# KiCad board RASBB.kicad_pcb (continued)
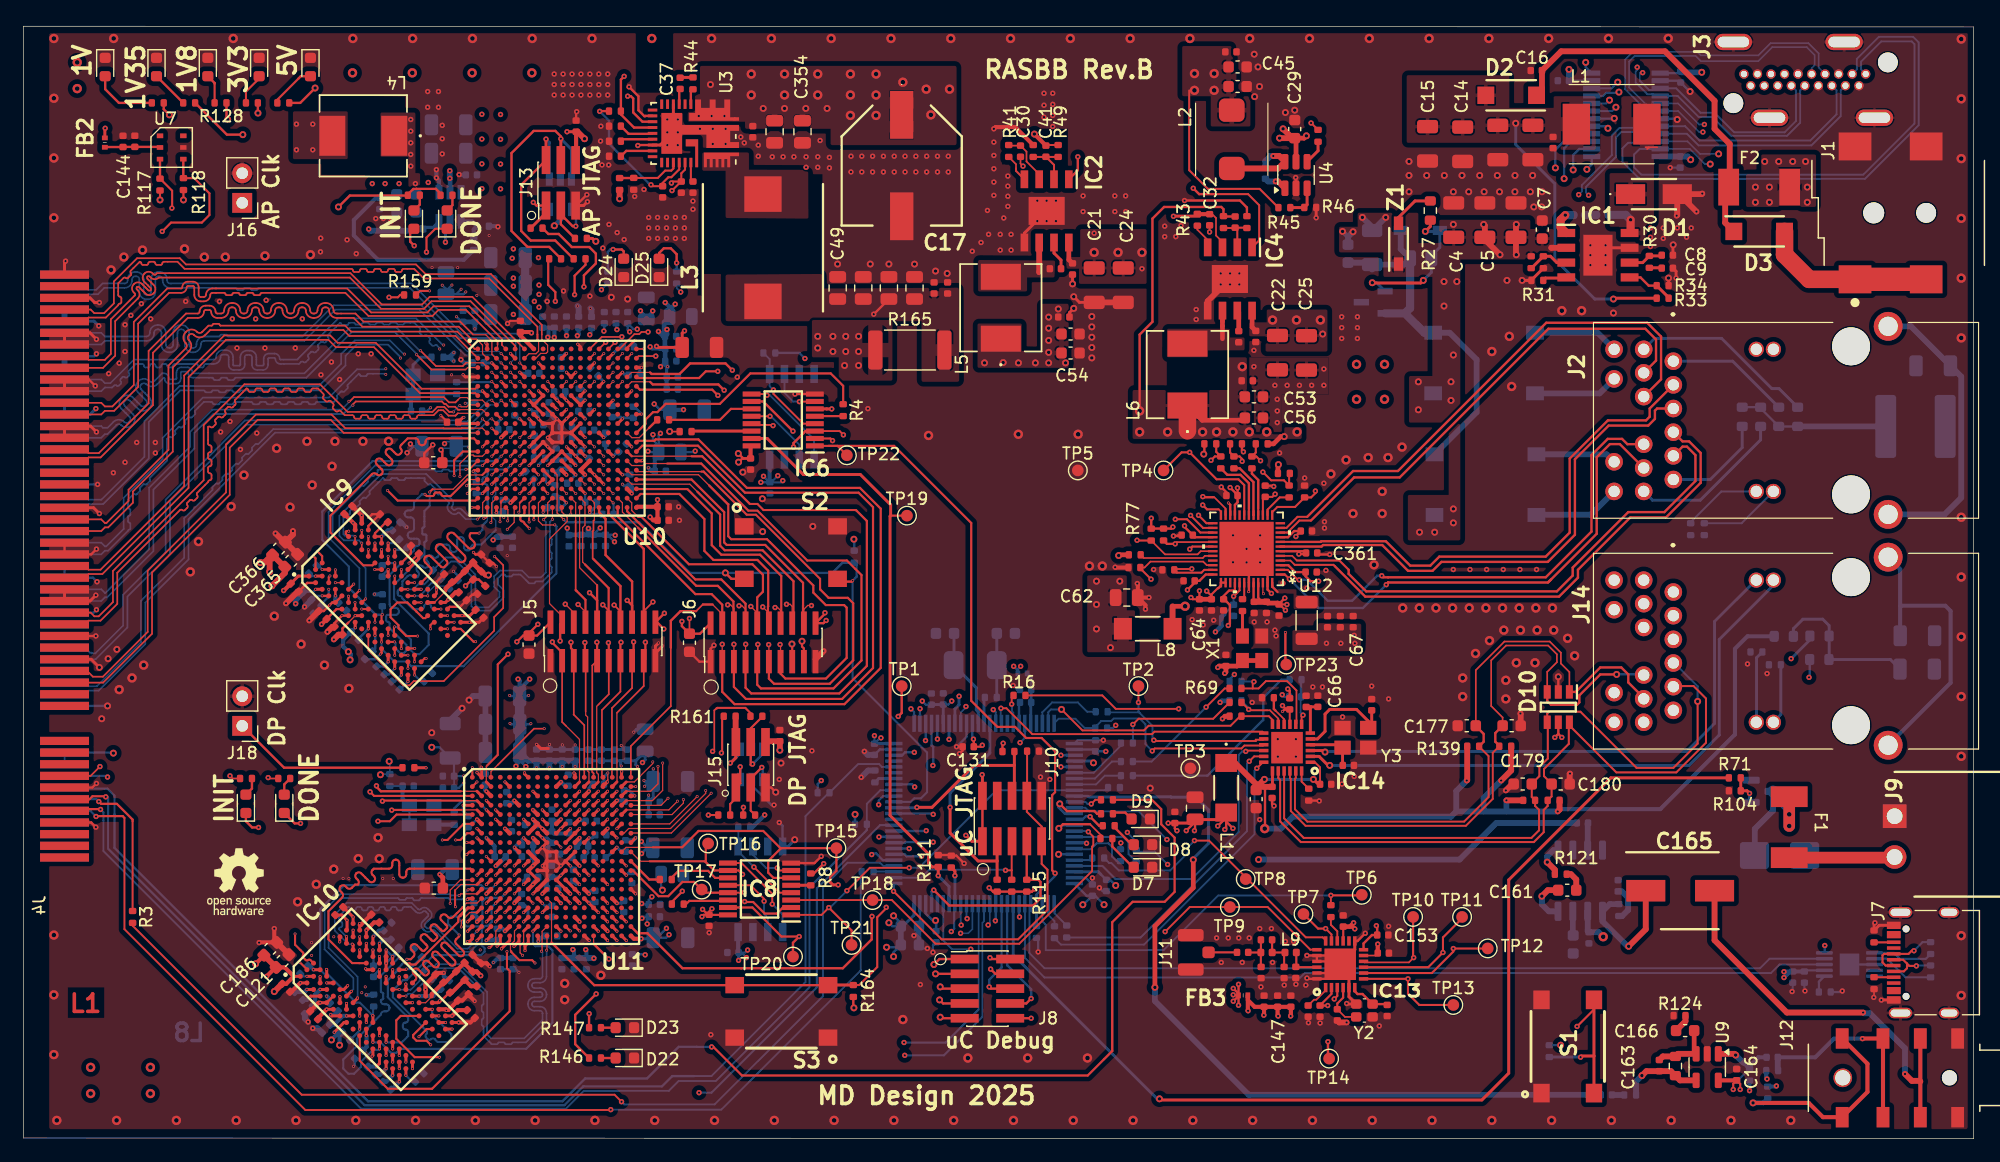
[diagram p0: board, top side]
## Nets (continued)

## Via types
v1: diameter 0.6, hole 0.3, Top to Bottom, 231 vias
v2: diameter 0.25, hole 0.15, Top to Bottom, 633 vias
v3: diameter 0.8, hole 0.4, Top to Bottom, 213 vias
v4: diameter 0.46, hole 0.2, Top to Bottom, 834 vias

## Routing (per net, layer and track width the routed paths; a pad name or vN(x,y) marks a point on that pad's centre or on a via; arc(x,y) is an arc through that point)
+1V0: length 135.5
  Top w0.2: v1(12.52,87.82) 12.04,88.3 R130.1
  Top w0.25: U11.J11 v2(46.9,25) ; U10.G11 v2(46.57,63.34) U10.F10 ; U10.G7 U10.F8 v2(44.17,64.14) ; U10.G7 v2(43.37,63.34) ; U10.G7 U10.H8 ; v2(46.9,21) U11.N11 U11.M10 v2(46.1,22.6) U11.L11 ; U11.H8 v2(43.7,25.8) ; U10.M8 U10.N7 v2(43.37,57.74) ; U10.L11 v2(47.37,59.34) ; U10.G9 v2(45.77,62.54) ; v2(43.7,27.4) U11.F8 v2(44.5,26.6) U11.G9 ; v2(43.37,59.34) U10.L7 U10.K8 ; U10.J11 v2(47.37,61.74) ; U11.K8 v2(43.7,23.4) ; v2(47.37,57.74) U10.N11 U10.M10 U10.N9 v2(44.97,57.74) ; U11.F10 v2(46.1,27.4) ; U11.G11 v2(46.9,26.6) ; v2(43.7,21.8) U11.M8 U11.L7 ; U10.J7 v2(43.37,61.74) ; U11.N9 v2(44.5,21)
  Top w0.35: v2(43.7,27.4) U11.F8 U11.G7 ; U11.M8 v2(43.7,21.8) U11.N7 ; U11.H8 v2(43.7,25.8) ; U11.J11 v2(46.9,25) ; U11.L7 v2(43.7,23.4) U11.K8 U11.J7 ; U11.G9 v2(44.5,26.6) ; U11.N11 v2(46.9,21) ; U11.F10 v2(46.1,27.4) ; U11.N9 v2(44.5,21)
  In4.Cu w0.2: v4(42.02,76.32) 41.95,76.32 36.85,81.42 22.12,81.42 15.72,87.82 v1(12.52,87.82)
  Bottom w0.177: v2(44.97,57.74) 45.47,58.24 C205.1 ; C291.1 46.32,24.42 v2(46.9,25)
  Bottom w0.2: 42.57,32.43 v4(43.09,31.92) ; v2(43.7,27.4) 43.7,27.29 44.05,26.94 ; C304.1 42.57,32.28 v4(42.24,31.95) ; C198.1 54.59,62.52 v4(54.09,63.02) ; v2(43.33,38.02) 43.28,37.97 C302.1 41.75,37.97 v2(41.7,38.02) ; v4(46.64,52.37) 46.64,51.92 ; C281.1 43.72,25.78 v2(43.7,25.8) ; v4(50.75,51.76) 50.71,51.8 C214.1 ; v4(49.47,52.39) 48.9,51.82 ; v2(46.9,26.6) 46.78,26.48 46.78,26.17 ; v2(43.7,23.4) 43.71,23.41 C289.1 ; 50.09,51.8 v4(50.69,51.2) ; 56.6,62.52 v4(56.61,62.53) ; v2(43.37,57.74) 43.79,58.16 C189.1 ; v2(41.73,35.62) 41.81,35.54 C303.1 43.52,35.54
  Bottom w0.25: v4(53.01,24.46) 53.5,24.95 53.98,24.95 53.54,24.95 v4(53,25.49) ; v2(46.1,27.4) 45.97,27.27 C274.1 ; C194.1 47.05,59.66 v2(47.37,59.34) ; C190.1 47.37,57.87 v2(47.37,57.74) ; v2(46.1,22.6) 45.96,22.46 C269.1 ; v2(43.37,63.34) 43.52,63.19 C209.1 ; C293.1 44.5,21.06 v2(44.5,21) ; C277.1 43.7,21.98 v2(43.7,21.8) ; C285.1 44.75,26.35 v2(44.5,26.6) ; C207.1 47.05,61.42 v2(47.37,61.74) ; v2(46.57,63.34) 46.48,63.43 C201.1 ; v2(43.37,61.74) 43.64,61.47 C185.1 ; v2(43.37,59.34) C193.1 ; v2(45.77,62.54) 45.16,63.15
  Bottom w0.35: C274.1 C285.1 45.51,26.17 46.77,26.17 C278.1 ; v4(46.58,68.88) 46.57,68.89 C217.1 ; C193.1 43.82,58.4 C189.1 ; 44.19,73.19 v4(44.22,73.22) ; C293.1 44.9,22.07 C269.1 ; 42.03,70.69 v4(42.02,70.7) ; v4(48.22,16.22) 48.28,16.16 C295.1 ; C289.1 43.72,24.21 C281.1 ; C205.1 46.44,58.24 C190.1 ; v4(42.42,39.42) 42.56,39.28 C302.1 42.56,38.55 v4(43.42,39.42) ; v4(47.12,16.22) 47.22,16.12 C296.1 ; v4(45.53,68.73) C216.1 45.03,69.56 ; C215.1 45.03,69.56 ; 45.03,69.56 45.03,68.8 v4(44.97,68.74) ; C198.1 56.6,62.52 ; C207.1 C194.1
  Bottom w0.4: 46.82,51.8 C214.1
  Bottom w0.5: C299.1 45.11,31.81 v2(45.11,31.81) ; v2(46.21,31.93) 46.21,31.93 C301.1 ; v2(44.01,31.81) 44,31.82 C297.1 ; 48.46,51.8 v4(48.46,52.34) ; C297.1 C298.1 47.32,31.94 v2(47.31,31.93) ; C297.1 43.28,32.42 C304.1 ; v4(48.92,15.47) 48.89,15.5 C295.1 C296.1 C300.1
  Bottom w0.7: C219.1 C220.1 C218.1
  Bottom w0.8: C302.1 42.56,33.15
  vias: v1(68.12,68.82) v1(68.12,67.82) v1(69.42,68.82) v1(69.42,67.52) v1(70.42,66.32) v1(70.52,68.82) v1(70.52,67.52) v1(71.62,68.82) v1(71.62,67.52) v1(71.62,66.32) v2(43.52,35.6) v4(41.92,75.52) v4(42.02,73.82) v4(42.02,73.12) v4(43.82,71.82) v4(44.17,75.57) v4(44.22,72.42) v4(44.22,71.32)
+1V8: length 102.3
  Top w0.1: 37.7,61.87 v2(37.78,61.87)
  Top w0.17: R49.1 87.73,85.23
  Top w0.177: U11.H10 v2(46.1,25)
  Top w0.2: R128.1 17.42,87.52 v1(17.52,87.42) ; U10.G5 v2(41.77,63.34) ; 37.41,61.34 38.4,61.34
  Top w0.25: v2(48.17,61.74) U10.H12 ; U10.C3 v2(40.17,66.54) ; U10.J1 38.4,61.34 ; U10.B10 v2(46.57,67.34) ; C265.1 37.7,61.87 ; U11.M12 v2(47.7,21.8) ; U11.H12 v2(47.7,25.8) ; U11.K12 v2(47.7,23.4) ; U10.E8 v2(44.97,64.14) ; U11.E8 v2(43.7,28.2) ; U11.F12 v2(47.7,27.4) ; U10.H10 v2(46.57,62.54) ; U10.F12 v2(48.17,64.14) ; U10.F2 v2(39.37,64.14) ; U10.M12 v2(48.17,58.54) ; U10.K12 v2(48.17,60.14) ; U10.D6 v2(42.57,65.74)
  Top w0.35: U11.F12 v2(47.7,27.4) ; U11.E8 v2(43.7,28.2) ; v4(43.57,69.12) 43.5,69.19 C225.1 42.62,68.89 U10.A7 ; U11.H12 v2(47.7,25.8) ; U11.K12 v2(47.7,23.4) ; U11.B10 v2(46.1,30.6) ; v1(86.69,86.17) C41.1
  In3.Cu w0.2: v1(17.52,87.42) 17.52,86.22 28.62,75.12 34.01,75.12 v2(35.92,73.21)
  In3.Cu w0.35: v1(86.69,86.17) 85.47,86.17 83.77,84.47 83.77,79.72 80.27,76.22 80.27,68.69 v1(82.42,66.54)
  Bottom w0.1: 39.33,64.1 v2(39.37,64.14)
  Bottom w0.177: v2(48.17,60.14) 47.99,60.32 C264.1 ; 47.08,24.02 v2(47.7,23.4)
  Bottom w0.186: C210.1 52.32,69.44 v4(52.64,69.44) ; v4(48.57,68.96) 48.72,69.11 C223.1
  Bottom w0.2: v2(35.92,73.21) 36.24,72.89 C192.2 ; C192.2 37.12,72.44 v2(37.54,72.86) ; C192.2 37.75,72.44 v2(37.94,72.63) ; v4(50.9,69.4) 50.82,69.48 C208.1 ; C206.1 49.82,69.31 v4(49.78,69.27) ; C275.1 47.85,27.25 v2(47.7,27.4) ; v4(51.99,69.21) 51.82,69.38 C210.1 ; v4(52.92,71.01) 53.42,70.51 ; 37.58,70.06 v2(37.14,70.5) ; 36.24,72.71 v2(36.75,73.22) ; v2(47.7,21.8) 47.39,21.8 47.1,22.09 ; v4(53.97,71) 53.42,70.45 ; v2(41.77,63.34) 41.8,63.34 C196.1
  Bottom w0.25: v2(48.17,58.54) 48.3,58.54 C263.1 ; C191.1 46.46,67.34 v2(46.57,67.34) ; C182.1 39.33,64.1 ; v4(53.09,32.26) 53.32,32.49 C187.1 52.52,32.42 ; 39.49,66.54 v2(40.17,66.54) ; 51.22,32.42 51.22,32.02 v2(51.27,31.97) ; 51.22,32.42 C290.1 52.52,32.42 ; 51.22,32.42 C307.1 ; 52.52,32.42 52.52,32.07 v2(52.67,31.92) ; v2(42.57,65.74) 42.66,65.65 C200.1 ; v2(48.17,61.74) 48.17,61.82 C262.1 ; C261.1 47.97,64.34 v2(48.17,64.14)
  Bottom w0.35: C308.1 46.45,30.27 46.1,30.62 ; v4(47.51,68.88) 47.62,68.99 C224.1 ; C280.1 47.7,25.31 v2(47.7,25.8)
  Bottom w0.4: v2(36.91,66.7) 36.58,67.03 R157.2 36.54,67.03 v2(36.92,67.41) ; v2(38.72,69.46) C266.1 C267.1
  vias: v1(84.02,66.57) v1(85.33,66.54) v1(86.78,66.54) v1(87.92,70.47) v1(87.92,69.52) v1(87.92,68.47) v1(87.92,67.44) v1(87.92,66.54) v1(88.75,71.17) v1(89.37,66.54)
+1V35: length 148.5
  Top w0.1: 28.45,44.85 27.87,44.27
  Top w0.186: 31.11,52.88 30.15,51.93 IC9.C9 ; 33.88,50.18 v2(33.07,49.37)
  Top w0.2: 35.53,11.66 35.66,11.66 36.55,12.55 36.57,12.53 C117.1 ; R129.1 17.45,86.12 v1(18.82,86.12) ; C86.1 27.36,43.76 27.87,44.27 ; C82.1 26.86,45.43 IC9.F1 ; v2(32.85,14.55) 32.79,14.49 IC10.H9 ; 38.46,47.96 v4(37.92,47.42) ; C98.1 35.93,58.96 v4(35.81,59.08) ; IC9.D9 v2(30.72,51.65) IC9.C9 ; U10.V8 v2(44.57,53.73) ; IC9.D2 v2(26.76,46.56) ; C95.1 39.06,47.96 R88.1
  Top w0.25: v2(27.75,18.74) 27.31,19.18 C112.1 ; IC9.N1 v2(31.28,40.9) ; IC9.N9 36.19,45.99 v2(36.42,46.22) ; IC10.A8 27.76,17.93 27.76,18.73 ; U11.V8 44.15,17.35 v2(44.15,16.94) ; IC10.K8 32.8,13.26 v2(32.8,13.26) ; IC10.E9 v2(30.54,16.75) ; IC10.C1 v2(24.32,12.79) ; IC9.R1 v2(32.41,39.77) ; IC10.F1 v2(26.02,11.1) ; IC9.E9 v2(31.28,51.08) ; IC9.C1 v2(25.06,47.12) ; IC10.D2 v2(25.45,12.79) ; IC10.G7 v2(30.54,14.49) ; C88.1 23.58,48.26 IC9.A1 ; U11.P6 v2(42.1,20.2) ; IC10.R1 v2(31.67,5.44) ; IC10.R9 v2(36.76,10.53) ; IC10.D9 29.97,17.32 ; U11.N3 v2(39.7,21) ; IC10.K2 v2(29.41,8.83) ; v2(35.7,11.83) 35.53,11.66 IC10.N9 ; C93.1 38.28,44.86 IC9.R9 ; U10.T2 v2(39.37,55.34) ; C87.1 33.91,49.75 IC9.H9 ; IC9.K2 v2(30.15,43.16) ; IC10.A1 v2(23.19,13.93) ; IC10.N1 30.54,6.45 v2(30.29,6.2) ; IC9.K8 v2(34.11,47.12) ; IC9.H2 v2(28.45,44.86) ; U11.K4 v2(40.5,23.4) ; U10.P6 v2(42.57,56.94) ; IC10.H2 v2(27.71,10.53) ; U11.T2 v2(38.9,18.6) ; IC10.C9 v2(29.41,17.89) ; IC10.B2 v2(24.32,13.93) ; U10.N3 v2(40.17,57.74) ; IC9.B2 v2(25.06,48.26) ; IC9.G7 v2(31.28,48.82) ; U11.U5 v2(41.3,17.8)
  Top w0.35: C103.1 30.07,18.55 v2(29.41,17.89) ; C105.1 25.27,10.35 v2(26.02,11.1) ; 27.58,53.53 28.45,52.66 IC9.A8 ; U11.N3 v2(39.7,21) ; U11.K4 v2(40.5,23.4) ; v1(19.92,15) 20.63,15.71 C186.1 ; C94.1 37.06,46.86 v2(36.42,46.22) ; C118.1 38.39,13.08 R94.1 36.74,12.53 C117.1 ; v2(40.97,60.14) U10.K4 ; U11.U5 v2(41.3,17.8) ; 26.01,44.56 v4(25.57,44.12) ; C111.1 22.54,13.28 v2(23.19,13.93) 22.42,14.69 C121.1 21.63,14.69 v4(20.86,13.92) ; C88.1 22.34,47.02 v4(22.32,47.02) ; v2(36.76,10.53) 37.26,11.03 C116.1 ; U11.T2 v2(38.9,18.6) ; U11.P6 v2(42.1,20.2) ; U10.U5 v2(41.77,54.54)
  Top w0.4: C115.1 35.97,22.39 v2(35.7,22.67)
  Top w0.5: C366.1 C365.1 22.42,48.52 v1(21.32,47.42) ; v1(21.12,48.62) 21.12,49.67 21.37,49.92 ; v4(26.62,42.82) 27.03,43.23 C86.1 ; C121.1 C186.1 ; C111.1 22.18,13.28 v1(21.52,12.62) ; 21.32,50.07 20.67,49.42 v1(20.32,49.42)
  In3.Cu w0.2: v1(18.82,86.12) 19.75,86.12 21.39,84.47 21.42,84.47 23.97,81.92 v4(29.92,81.92)
  Bottom w0.141: 36.96,59.22 35.95,59.22 v4(35.81,59.08) ; C226.1 38.13,59.39 v2(38.21,59.31) ; 36.73,59.79 36.29,59.79 v4(36.12,59.62)
  Bottom w0.177: C106.1 23.96,13.93 v2(24.32,13.93)
  Bottom w0.186: C85.1 31.93,51.08 v2(31.28,51.08) ; 30.77,48.31 v2(31.28,48.82)
  Bottom w0.2: 43.09,57.2 42.83,56.94 v2(42.57,56.94) ; C97.1 30.89,40.51 v2(31.28,40.9) ; C81.1 30.17,42.02 30.17,43.15 v2(30.15,43.16) ; v2(30.54,14.49) 30.03,13.98 C119.1 ; v2(26.19,47.12) 26.19,46.49 25.56,45.86 ; v2(25.06,48.26) 24.71,48.26 C83.1 ; C91.1 24.84,46.91 v2(25.06,47.12) ; v2(32.41,39.77) 31.85,39.21 C78.1 ; v2(40.97,60.14) 41.07,60.14 41.65,60.72 41.65,60.82 ; v2(32.85,14.55) 33.14,14.55 C110.1 ; 44.94,54.1 v2(44.57,53.73)
  Bottom w0.25: C316.1 42.1,20.35 v2(42.1,20.2) ; C231.1 v2(39.37,55.34)
  Bottom w0.35: C104.1 29.44,7.88 29.44,8.8 v2(29.41,8.83) ; v2(30.02,17.36) 30.51,17.85 C113.1 ; C313.1 38.9,18.98 v2(38.9,18.6) ; v2(41.77,54.54) 41.53,54.78 C229.1 ; C108.1 30.85,17.07 v2(30.54,16.75) ; C114.1 24.1,12.58 v2(24.32,12.79) ; R47.1 37.78,75.39 30.4,75.39 29.59,76.19 29.59,76.22 28.34,77.47 28.34,78.79 30.25,80.7 C39.1 ; v2(40.5,23.4) 40.59,23.4 C315.1 ; v2(40.3,15.11) 40.69,15.5 C311.1 C312.1 ; v2(31.67,5.44) 31.11,4.88 C101.1 ; v2(25.45,12.79) 25.02,12.36 25.02,11.58 C102.1 ; C109.1 26.63,9.77 27.38,10.52 27.38,10.53 v2(27.71,10.53) ; v2(26.02,12.23) 26.29,11.95 C238.1 ; v2(26.76,46.56) 26.76,46.18 26.98,45.96 ; v2(30.72,51.65) 31.25,52.18 C90.1 ; C120.1 30.27,6.18 v2(30.29,6.2) ; C317.1 44.6,17.39 v2(44.15,16.94) ; 41.09,18.01 v2(41.3,17.8)
  Bottom w0.4: v2(35.7,22.67) 36.11,23.08 C310.1 ; C228.1 C227.1 40.57,51.64 v4(40.28,51.35)
  Bottom w0.5: C91.1 23.35,46.23 v4(23.35,45.89)
  vias: v2(28.27,52.82) v2(37.62,44.86) v4(31.02,81.92) v4(32.22,81.92) v4(33.22,87.42) v4(33.22,86.42) v4(33.22,85.42) v4(33.22,84.42) v4(33.22,83.42) v4(33.62,81.92) v4(34.72,82.02)
+3V3: length 314.2
  Top w0.1: U10.U15 v2(50.57,54.54)
  Top w0.141: v4(6.57,31.92) 5.77,31.12 J4.B08 ; C126.2 v4(57.12,44.62) ; v4(21,30.97) 21.07,30.89 R56.1 ; R103.1 17.94,30.89 v4(17.72,31.12)
  Top w0.16: C173.1 108.59,35.56
  Top w0.17: U12.15 106.29,54.85 C68.1 107.1,55.05 v4(107.34,55.29) ; 107.67,45.82 107.72,45.82 v4(108.22,45.33) ; 107.67,45.82 107.68,45.83 ; 107.67,45.82 108.34,45.82 v4(108.34,45.82) ; C352.1 106.24,46.05 105.89,46.4
  Top w0.177: v4(100.12,46.42) 100.27,46.27 C64.1 ; v4(101.47,46.97) 101.88,46.56 C364.1 ; v4(58.19,19.04) 58.36,19.21 C60.1 58.8,19.48 v4(59.04,19.72) ; v1(13.73,80.52) R118.2 ; C64.1 v4(100.85,46.99) ; C64.1 100.85,46.55 ; v4(147.22,4.22) 147.22,4.7 C164.1 146.62,4.72 v4(146.62,4.22) ; 102.47,47.22 102.42,47.22 101.88,46.68 101.88,46.38 ; R117.2 v1(11.72,80.52)
  Top w0.186: J5.2 44.06,43.15 C125.2 42.85,43.15 v4(42.32,42.62) ; v4(82.23,33.75) 82.1,33.62 C131.1 ; 60.42,19.2 58.81,19.2 ; v4(58.25,19.67) 58.71,19.21 C60.1 ; 43.36,43.36 v4(44.12,44.12)
  Top w0.2: v4(86.72,21.42) 86.49,21.19 R115.2 R114.2 R116.2 83.15,21.19 v4(82.82,21.52) ; v4(81.47,34.27) 81.5,34.24 C131.1 ; v4(84.02,33.92) 83.96,33.86 R119.2 ; 131.62,34.72 v4(131.32,34.42) ; 131.62,34.72 v4(131.92,34.42) ; 131.62,34.72 D10.5 ; R164.1 71.17,11.27 v1(71.22,11.22) ; 51.77,67.82 52.43,68.48 v2(52.48,68.48) ; v4(104.62,58.92) 104.5,59.04 104.5,59.6 ; v4(103.02,26.52) 103.14,26.64 L11.2 103.14,27.2 v4(103.72,26.62) ; v4(108.17,46.37) 107.67,45.87 107.67,45.82 ; v4(100.42,26.42) 100.47,26.47 C170.1 ; 32.86,80.89 28,80.89 v1(27.02,79.92) ; 54.34,44.3 v4(54.92,43.72) ; v2(38.02,24.37) 38.25,24.6 U11.J1 ; v4(104.11,55.82) 104.12,55.81 C363.1 104.12,54.59 103.89,54.36 U12.21 ; v4(54.97,45.07) J5.20 ; FB3.1 v4(104.2,13.24) ; FB3.1 103.8,12.29 v4(103.75,12.34) ; FB3.1 v4(104.2,11.44) ; U12.45 105.89,46.4 ; v1(61.33,58.03) 61.65,58.35 C58.1 61.73,58.35 v1(61.31,58.77) ; J6.2 58.03,43.31 C126.2 56.47,43.96 v4(56.47,44.37) ; v2(107.97,36.64) 108.15,36.82 C173.1 108.29,36.82 v4(107.97,37.14) ; U10.P8 U10.R9 ; 103.14,27.54 v4(102.42,26.82) ; U12.38 U12.37 102.69,47.44 102.47,47.22 ; 104.12,55.21 v4(103.48,55.85) ; C70.1 105.49,46.11 U12.44 ; C43.1 102.94,79.1 ; 104.2,12.24 v4(103.75,11.79) ; v4(98.57,52.47) 98.43,52.33 R107.1 96.72,52.33 96.72,52.32 96.72,53.21 v4(96.72,53.22) ; 82.24,31.2 v4(82.22,31.22) ; v1(20.12,87.97) 20.11,87.98 R131.1 20.11,88.83 20.19,88.74 ; v4(98.17,27.07) C172.1 98.74,26.6 v4(98.92,26.42) ; v4(68.74,45.11) 68.74,45.03 J6.20 68.61,44.22 v4(68.84,44.45) ; v2(53.02,62.16) 53,62.14 U10.H18 ; J10.1 J10.2 ; R54.1 35.78,81.06 35.37,81.47 33.71,81.47 33.7,81.46 33.44,81.46 32.97,81 R5.1 ; v4(75.02,36.22) 75.32,36.52 TP1.1 ; R62.2 101.27,58.77 v1(101.22,58.72) ; 100.47,27.17 v4(99.72,26.42) ; 104.2,12.44 v4(103.75,12.89) ; C244.1 v4(54.38,54.81) ; v3(95.72,62.42) 95.72,68.97 96.82,70.07 96.82,78.92 97.82,79.92 102.72,79.92 102.91,79.73 R51.2
  Top w0.25: v2(42.98,31.38) 42.98,31.29 43.27,31 ; U10.D16 v2(51.37,65.74) ; U11.F2 v2(38.9,27.4) ; U10.C13 v2(48.97,66.54) ; U10.P16 v2(51.37,56.94) ; U11.P8 v2(44.5,20.2) ; U10.K14 v2(49.77,60.14) ; U11.K14 v2(49.3,23.4) ; U11.C3 v2(39.7,29.8) ; J10.1 81.33,25.51 v4(80.82,26.02) ; U11.C13 v2(48.5,29.8) ; 102.54,27.37 100.49,27.37 ; U11.D16 v2(50.9,29) ; U11.G5 v2(41.3,26.6) ; U11.N13 v2(48.5,21) ; v4(46.62,86.37) C204.2 ; U10.R9 v2(44.97,56.14) ; v4(7.02,86.67) 6.99,86.64 FB2.1 ; U11.P16 v2(50.9,20.2) ; U10.G15 v2(50.57,63.34) ; U11.P12 v2(47.7,20.2) ; U11.H18 v2(52.5,25.8) ; v2(51.31,31.47) 51.3,31.46 U11.A17 ; J10.2 82.24,31.2 ; C172.1 100.15,27.07 ; U11.R9 v2(44.5,19.4) ; U10.L17 v2(52.17,59.34) ; U11.U15 v2(50.1,17.8) ; U11.L17 v2(51.7,22.6) ; U11.D6 v2(42.1,29) ; v4(56.69,69.29) 56.49,69.09 56.49,67.87 54.39,67.87 v4(54.29,67.96) ; U10.T12 v2(48.17,55.34) ; U11.T12 v2(47.7,18.6) ; U11.G15 v2(50.1,26.6)
  Top w0.35: v2(48.17,56.94) U10.P12 U10.N13 ; U11.C13 v2(48.5,29.8) ; U11.P16 v2(50.9,20.2) ; U11.N13 v2(48.5,21) ; U11.D6 v2(42.1,29) ; U11.T12 v2(47.7,18.6) ; J13.6 47.4,83.98 C204.2 ; v4(52.97,17.15) 52.35,17.15 U11.V18 ; U11.F2 v2(38.9,27.4) ; U11.G15 v2(50.1,26.6) ; 47.26,83 47.29,82.97 ; 146.9,5 U9.5 ; U10.V18 52.63,54.2 C244.1 C250.1 54.02,53.04 v4(53.74,53.32) ; U11.U15 v2(50.1,17.8) ; U11.C3 v2(39.7,29.8) ; C58.1 62.36,59.34 ; U11.G5 v2(41.3,26.6) ; U11.D16 v2(50.9,29) ; U11.P12 v2(47.7,20.2)
  Top w0.4: L6.1 101.09,61.62 104.54,61.62 ; X1.1 X1.4 104.06,40.54 C71.1 ; R136.2 103.04,36.24 v4(102.82,36.02) ; v1(108.12,60.22) 107.82,60.22 107.2,59.6 R58.2 ; C352.1 106.7,45.94 107.55,45.94 107.67,45.82 ; 104.47,63.9 C53.2 ; v4(103.02,39.92) 103.12,40.02 C71.1 ; C71.1 102.54,40.54 v4(102.42,40.42) ; v1(93.92,50.02) 93.98,50.08 R59.1 ; C364.1 C64.1 ; 99.82,60.72 99.92,60.62 ; v1(107.62,57.82) 107.58,57.78 R57.2
  Top w0.5: C204.2 47.52,86.37 v1(48.12,85.77) ; v1(64.87,33.32) C202.2 63.71,34.09 J15.6 ; C70.1 C352.1
  Top w1.5: L6.1 99.82,60.72
  Bottom w0.141: C350.1 36.93,30.09 ; J4.A10 J4.A09 ; v1(30.62,31.22) 30.67,31.27 R72.2 31.43,32.31 v1(31.37,32.37)
  Bottom w0.17: 103.82,60.72 v3(103.72,60.62)
  Bottom w0.177: v4(103.84,39.82) 103.43,39.4 ; v4(64.69,56.87) 64.12,56.3 C59.1 64.97,56.3 v4(65.12,56.44) ; R96.1 v1(131.82,8.02) ; v4(62.01,15.53) 61.57,15.97 C61.1 61.9,15.97 v4(62.11,16.18)
  Bottom w0.186: C138.1 79.31,37.24 v4(79.61,37.54) ; C135.1 77.39,37.23 v4(77.08,37.54) ; C199.1 35.69,33.57 v1(35.02,33.57) ; 36.93,32.32 C350.1 37.75,31.1 v2(37.77,31.12) ; v4(73.54,34.38) 73.48,34.38 C137.1 v4(72.98,34.57) ; v2(37.77,30.52) 37.33,30.08 C351.1
  Bottom w0.2: IC12.50 91.17,20.84 C129.1 ; v4(63.24,56.3) C59.1 ; v2(50.57,54.54) 50.61,54.5 C236.1 ; v4(53.99,60.39) 53.99,59.93 54.48,59.44 ; v2(44.5,20.2) 44.72,19.98 C306.1 ; C330.1 53.27,15.82 v4(53.32,15.77) ; v2(52.48,68.48) 52.36,68.36 C235.1 ; R132.2 108.13,37.89 v4(107.95,38.08) ; v4(84.92,40.52) 85.28,40.16 FB1.1 85.28,40.27 v4(85.52,40.52) ; 53.47,18.88 53.47,18.44 v4(53.5,18.42) ; 47.51,56.28 47.54,56.28 C239.1 ; IC11.12 133.97,91.91 v1(133.97,92.32) ; v1(71.22,51.42) 71.25,51.39 R156.1 ; v1(135.88,86.67) 135.7,86.84 IC11.5 ; v4(55.15,18.04) 54.34,17.24 C195.1 55.12,17.24 v4(55.37,17.49) ; v4(53.05,18.91) 53.18,19.04 C329.1 ; C243.1 50.49,63.26 v2(50.57,63.34) ; R75.1 93.43,35.22 v4(93.67,35.46) ; IC12.27 91.77,33.39 ; 38.22,26.71 v2(38.9,27.4) ; v1(71.32,27.82) 71.31,27.81 R10.2 ; J4.A10 7.67,33.12 v1(7.72,33.07) ; C133.1 v4(92.82,33.22) ; v1(74.62,15.62) 74.62,15.99 C128.1 ; v4(81.47,34.27) 81.37,34.37 81.37,35.62 ; C129.1 91.9,20.84 v1(92.67,20.07) ; C129.1 90.9,20.07 v1(90.85,20.07) ; v4(68.42,30.72) 68.11,30.41 R9.2 ; 52.39,62.79 v2(53.02,62.16) ; v2(51.37,56.94) 51.4,56.97 C233.1 ; v2(48.17,55.34) 48.17,54.62 ; v4(53.56,58.96) 53.63,58.89 C221.1 54.48,60.35 v4(54.63,60.5) ; C127.1 74.52,18.22 v1(74.22,18.52) ; v1(74.02,16.42) 75.04,16.42 ; v4(53.02,20.17) 53.1,20.09 C331.1 53.63,20.48 v4(53.9,20.74) ; v4(67.02,66.92) 66.54,67.4 R53.1 ; 51.9,59.61 v2(52.17,59.34) ; 63.99,56.3 v4(63.47,56.82) ; 154.43,14.44 152.82,14.44 ; C245.1 44.81,56.29 v2(44.97,56.14) 45.5,56.14 ; C305.1 54.69,21.43 v1(54.8,21.32) ; 154.47,15.97 v4(154.47,16.57) ; 75.25,18.49 v1(74.62,19.12)
  Bottom w0.25: 55.04,66.62 v4(54.64,66.22) ; C339.1 48.5,30.08 v2(48.5,29.8) ; C333.1 C334.1 ; C333.1 54.01,29.26 C332.1 ; C333.1 v2(53.62,29.47) ; v2(48.5,21) 48.5,21.13 48.63,21.26 C326.1 ; 53.69,30.64 v2(53.27,30.22) ; v2(49.77,60.14) 49.92,60.29 C254.1 ; IC12.6 C138.1 77.87,37.24 ; v4(53.75,67.92) 53.94,67.73 C247.1 54.53,67.73 v4(54.29,67.96) ; C349.1 41.53,26.37 v2(41.3,26.6) ; C337.1 48.98,23.72 v2(49.3,23.4) ; C336.1 50,26.5 v2(50.1,26.6) ; v2(53.22,30.72) 53.3,30.64 C332.1 ; IC12.100 72.99,33.89 ; v2(44.5,19.4) 44.53,19.4 45.1,19.98 C306.1 ; 48.6,66.17 v2(48.97,66.54) ; v2(55.24,66.22) 55.16,66.14 55.16,65.32 ; C332.1 54.01,31.71 v2(54.02,31.72) ; C242.1 51.61,65.5 v2(51.37,65.74) ; C328.1 51.29,20.2 v2(50.9,20.2) ; v2(51.7,22.6) 51.98,22.88 C327.1 ; 47.51,56.28 v2(48.17,56.94) ; 75.42,18.22 76.38,19.18 IC12.75 ; v4(52.97,17.15) 53.94,17.15 ; v4(61.33,15.29) C61.1
  Bottom w0.35: C136.1 151.49,14.34 v4(150.97,13.82) ; C136.1 150.99,14.34 v4(150.97,14.32) ; C136.1 C134.1 ; v2(52.5,25.8) 52.29,25.59 C338.1 ; R125.2 v4(148.02,4.12) ; v4(55.9,71.58) 55.42,71.11 C188.2 55.42,71.34 v4(55.04,71.72) ; C347.1 41.87,28.77 v2(42.1,29) ; v4(149.52,5.12) 149.45,5.19 R127.1 ; v2(50.9,29) 51.45,29 ; 55.16,65.32 55.16,64.29 ; v4(150.32,4.52) 150.27,4.47 R67.2 ; v2(39.7,29.8) 39.6,29.9 C348.1 ; IC5.8 64,56.32 ; IC7.8 61.29,16 ; v2(53.59,57.54) 53.88,57.26 C252.1 54.14,58.55 C221.1 ; R55.1 62.52,26.72 v4(63.57,27.77)
  Bottom w0.4: v4(102.62,37.42) 102.76,37.56 R137.2 ; C246.1 54.88,68.82 v4(54.46,69.24) ; C246.1 55.19,68.99 v4(55.19,69.41) ; C246.1 55.02,67.75 ; 54.95,68.89 54.95,70.05 C188.2 ; C247.1 C241.1 55.04,66.42 v2(55.24,66.22)
  Bottom w0.5: C123.1 142.69,84.25 v1(142.97,83.97) ; IC11.24 142.06,84.24 ; C127.1 C128.1
  vias: v1(92.02,47.82) v1(92.02,45.82) v1(92.02,43.72) v1(93.22,42.12) v1(94.02,47.82) v3(4.62,92.32) v3(4.62,90.07) v3(5.77,6.12) v3(5.77,3.87) v3(10.9,6.12) v3(10.9,3.87) v3(28.23,91.42) v3(33.35,91.42) v3(38.48,91.42) v3(43.61,91.42) v3(95.72,60.62) v3(98.12,60.62) v3(101.12,60.62) v3(102.32,60.62) v3(104.52,66.22) v3(105.12,60.62) v3(106.62,60.62) v3(109.22,60.62) v3(114.32,66.42) v3(114.32,63.42) v3(116.72,66.42) v3(116.72,63.42)
+5V: length 282.2
  Top w0.17: R45.2 106.01,81.47 101.57,81.47 99.97,83.07 99.97,89.91
  Top w0.2: R138.1 23.75,88.84 v1(25.02,90.12)
  In3.Cu w0.2: v1(25.02,90.12) 27.72,92.82 98.96,92.82 v3(100.42,91.36)
  In5.Cu w0.5: v1(132.54,91.72) 131.79,90.97 105.25,90.97 104.85,91.36 v3(102.11,91.36)
  In6.Cu w0.5: v3(135.47,17.32) 155.82,17.32 162.72,24.22 162.72,70.97 160.97,72.72 160.97,79.57 155.39,85.15 145.09,85.15 144.86,84.92 107.11,84.92 v3(102.11,89.92)
  Bottom w0.2: C122.1 IC11.11
  Bottom w0.5: C122.1 v1(132.54,91.72) ; v3(135.47,17.32) 135.07,17.71 C353.1 134.14,17.82 U8.6
  vias: v3(100.42,89.92)
+12V: length 15.1
  Top w0.17: v4(110.42,87.12) 110.43,87.12 R42.1 ; U3.23 56.74,83.13 56.42,82.8 C356.1 55.7,82.1 v4(55.57,81.97) ; v4(55.62,81.32) 56.4,82.1
  Top w0.25: 60.97,87.46 61,87.49
  Top w0.4: IC4.8 105.37,69.6 C28.1 ; C27.1 89.65,75.39 IC2.8 ; U4.5 109.13,85.71 C29.1 109.82,85.82 v1(110.02,86.02)
  Top w0.5: v1(107.72,85.82) C29.1 108.82,85.82 v1(108.02,86.62) ; 75.32,90.52 v3(75.42,90.62) ; R36.2 v1(51.13,80.62)
  vias: v1(58.92,90.42) v1(63.44,88.37) v1(65.27,88.37) v1(67.09,88.37) v1(68.92,88.37) v1(111.42,69.02) v1(148.52,81.62) v1(148.52,80.32) v1(149.32,83.82) v1(149.72,81.62) v1(149.72,80.32) v1(150.52,83.82) v1(151.72,83.82) v1(152.82,83.82) v1(152.97,81.62) v1(152.97,80.32) v3(62.42,91.32) v3(62.42,89.52) v3(65.27,91.32) v3(65.27,89.52) v3(68.12,91.32) v3(68.12,89.52) v3(70.92,91.32) v3(70.92,89.52) v3(70.92,87.77) v3(73.12,91.32) v3(73.12,89.52) v3(73.12,87.77) v3(77.42,90.02) v3(77.82,87.82) v3(79.42,90.02) v3(91.82,76.02) v3(93.87,76.02) v3(95.92,76.02) v3(107.12,70.22) v3(109.17,70.22) v3(111.22,70.22) v4(39.32,87.87) v4(39.32,85.74) v4(39.32,83.62) v4(39.32,81.49) v4(40.92,87.85) v4(40.92,85.72) v4(40.92,83.6) v4(40.92,81.47) v4(57.92,87.72) v4(59.02,87.72) v4(60.12,87.72) v4(91.82,77.67) v4(95.92,74.62)
/Ethernet_FPGA/AVDD_ETH: length 27.2
  Top w0.17: 98.54,45.65 98.56,45.67 ; v4(109.38,50.15) 109.47,50.24 ; v4(103.78,46.52) 104.29,47.03 U12.41
  Top w0.2: U12.6 109.84,50.39 C361.1 109.9,50.15 v4(109.38,50.15)
  Top w0.4: 98.56,45.67 v3(99.62,45.67)
  Top w0.5: L8.1 98.54,45.65
  In6.Cu w0.4: v4(102.22,43.47) 102.17,43.42 100.27,43.42 99.62,44.07 v3(99.62,45.67) 101.77,45.67 104.72,48.62 107.85,48.62 v4(109.38,50.15)
  Bottom w0.17: v4(103.78,46.52) C362.1 102.98,45
  Bottom w0.4: 102.98,45 102.72,44.74 102.72,43.97 v4(102.22,43.47)
/Ethernet_FPGA/DVDD10/AVDD10: length 17
  Top w0.186: C360.1 102.92,46.55 103.39,47.02 103.82,47.02 103.89,47.09 U12.40
  Top w0.2: v4(109.12,51.65) 109.12,51.7 C69.1 108.97,52.12 108.44,51.59 U12.9 ; v4(103.32,44.02) 103.46,44.16 103.46,45.78 102.97,46.27 C360.1 ; U12.36 101.39,48.39 100.85,47.85 C359.1 100.44,47.69 v4(99.82,47.07) ; v4(99.57,52.57) 99.57,52.48 C358.1 100.46,51.59 U12.28 ; v4(111.07,47.82) 110.37,47.82 109.95,48.24 C357.1 109.06,48.6 108.47,49.19 U12.3
  vias: v4(111.74,42.49) v4(112.97,42.49) v4(114.12,43.17) v4(114.17,42.49)
/Ethernet_uC/AVDD_ETH: length 89.5
  Top w0.16: C169.1 111.19,31.85 110.75,32.29 IC14.1
  Top w0.2: v3(106.44,26.59) 106.47,26.62 106.47,30.18